# KiCad board IotKnob.kicad_pcb
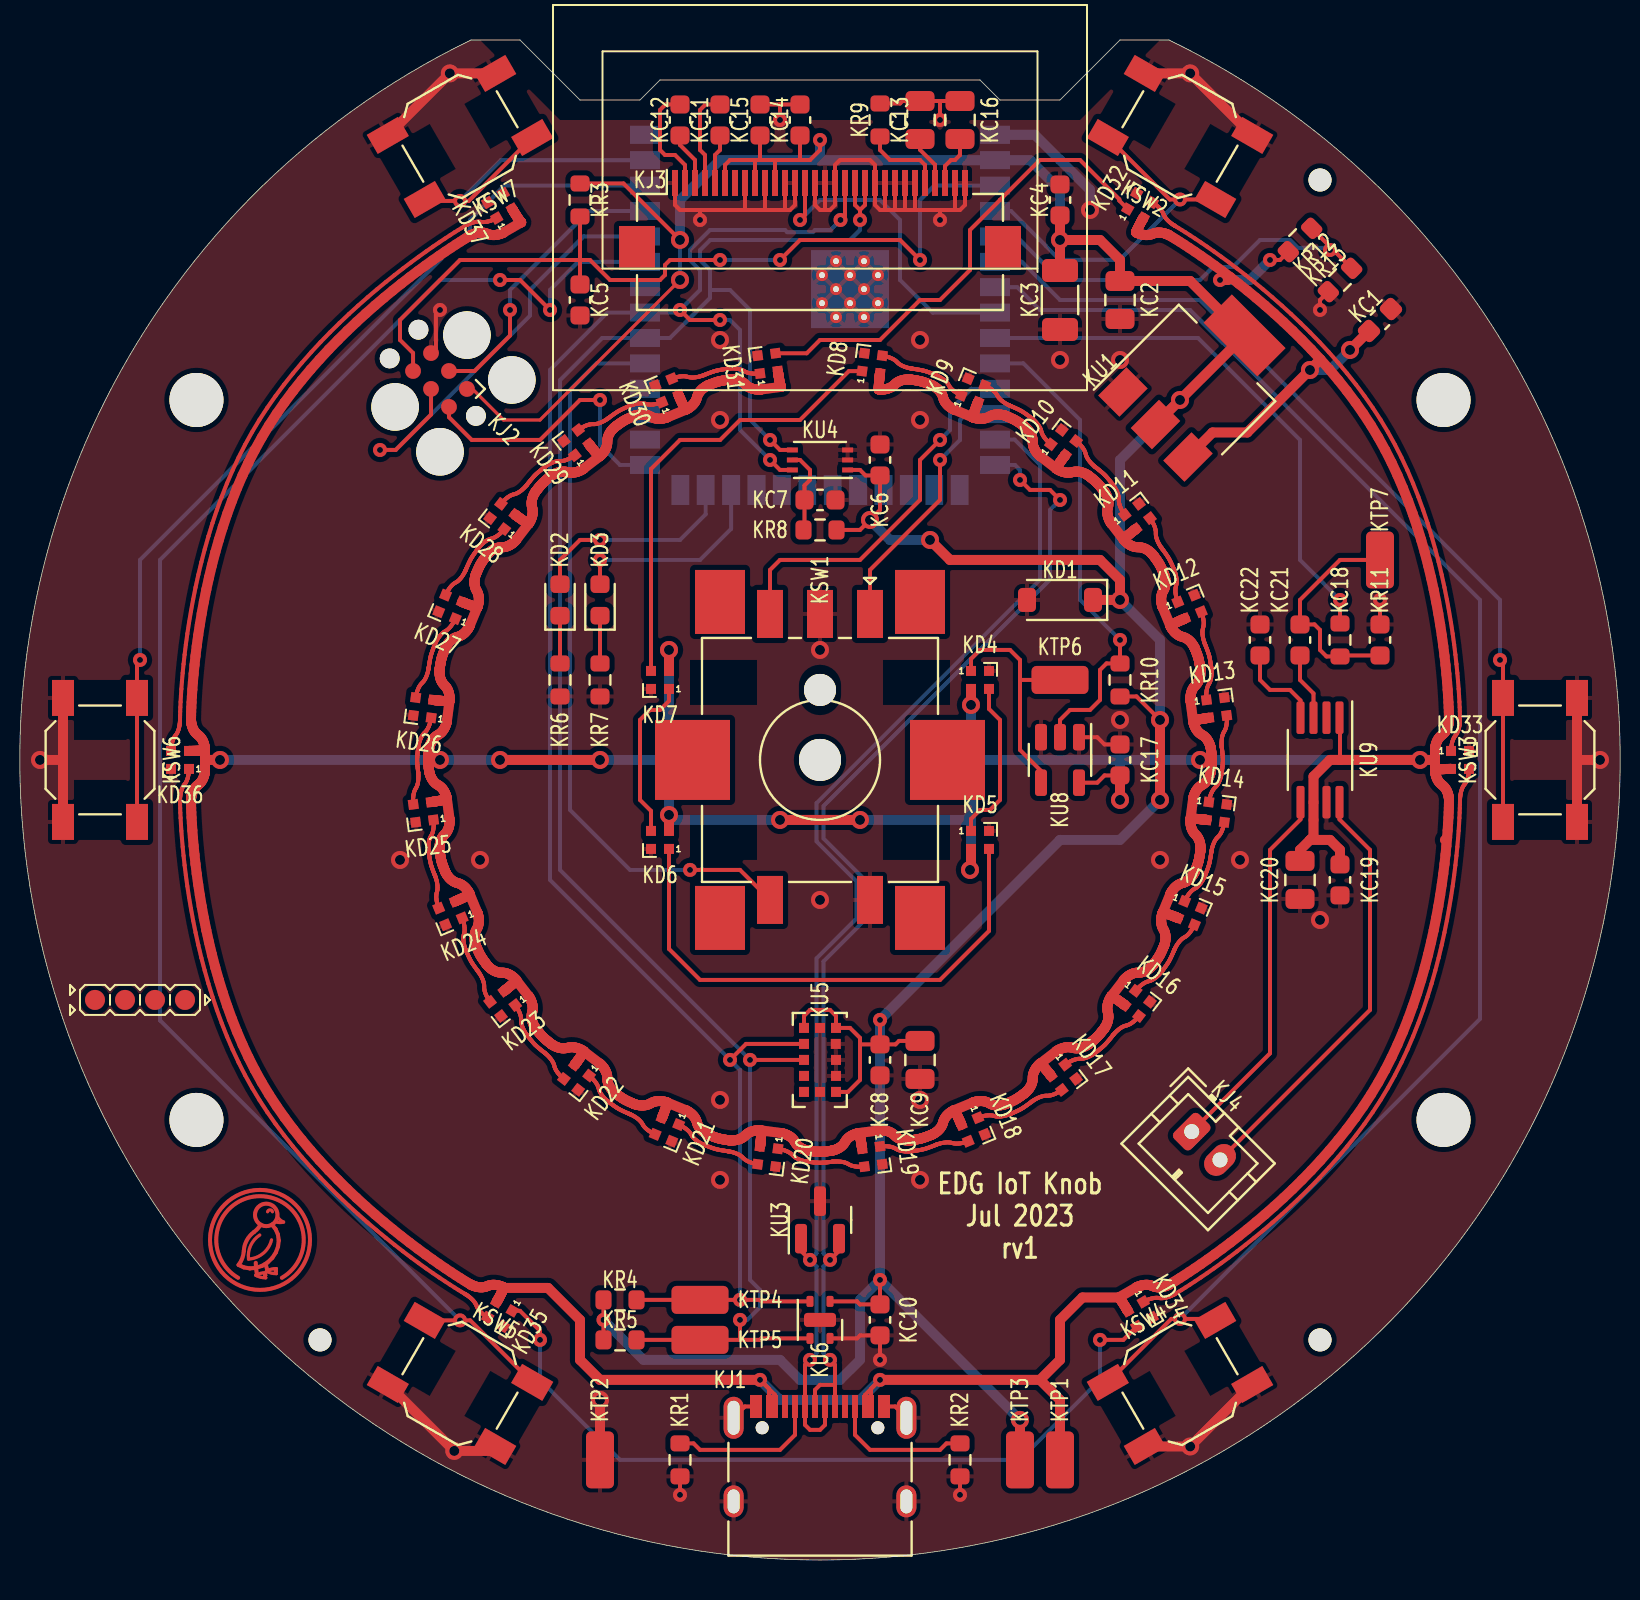
[diagram p0: board, top side]
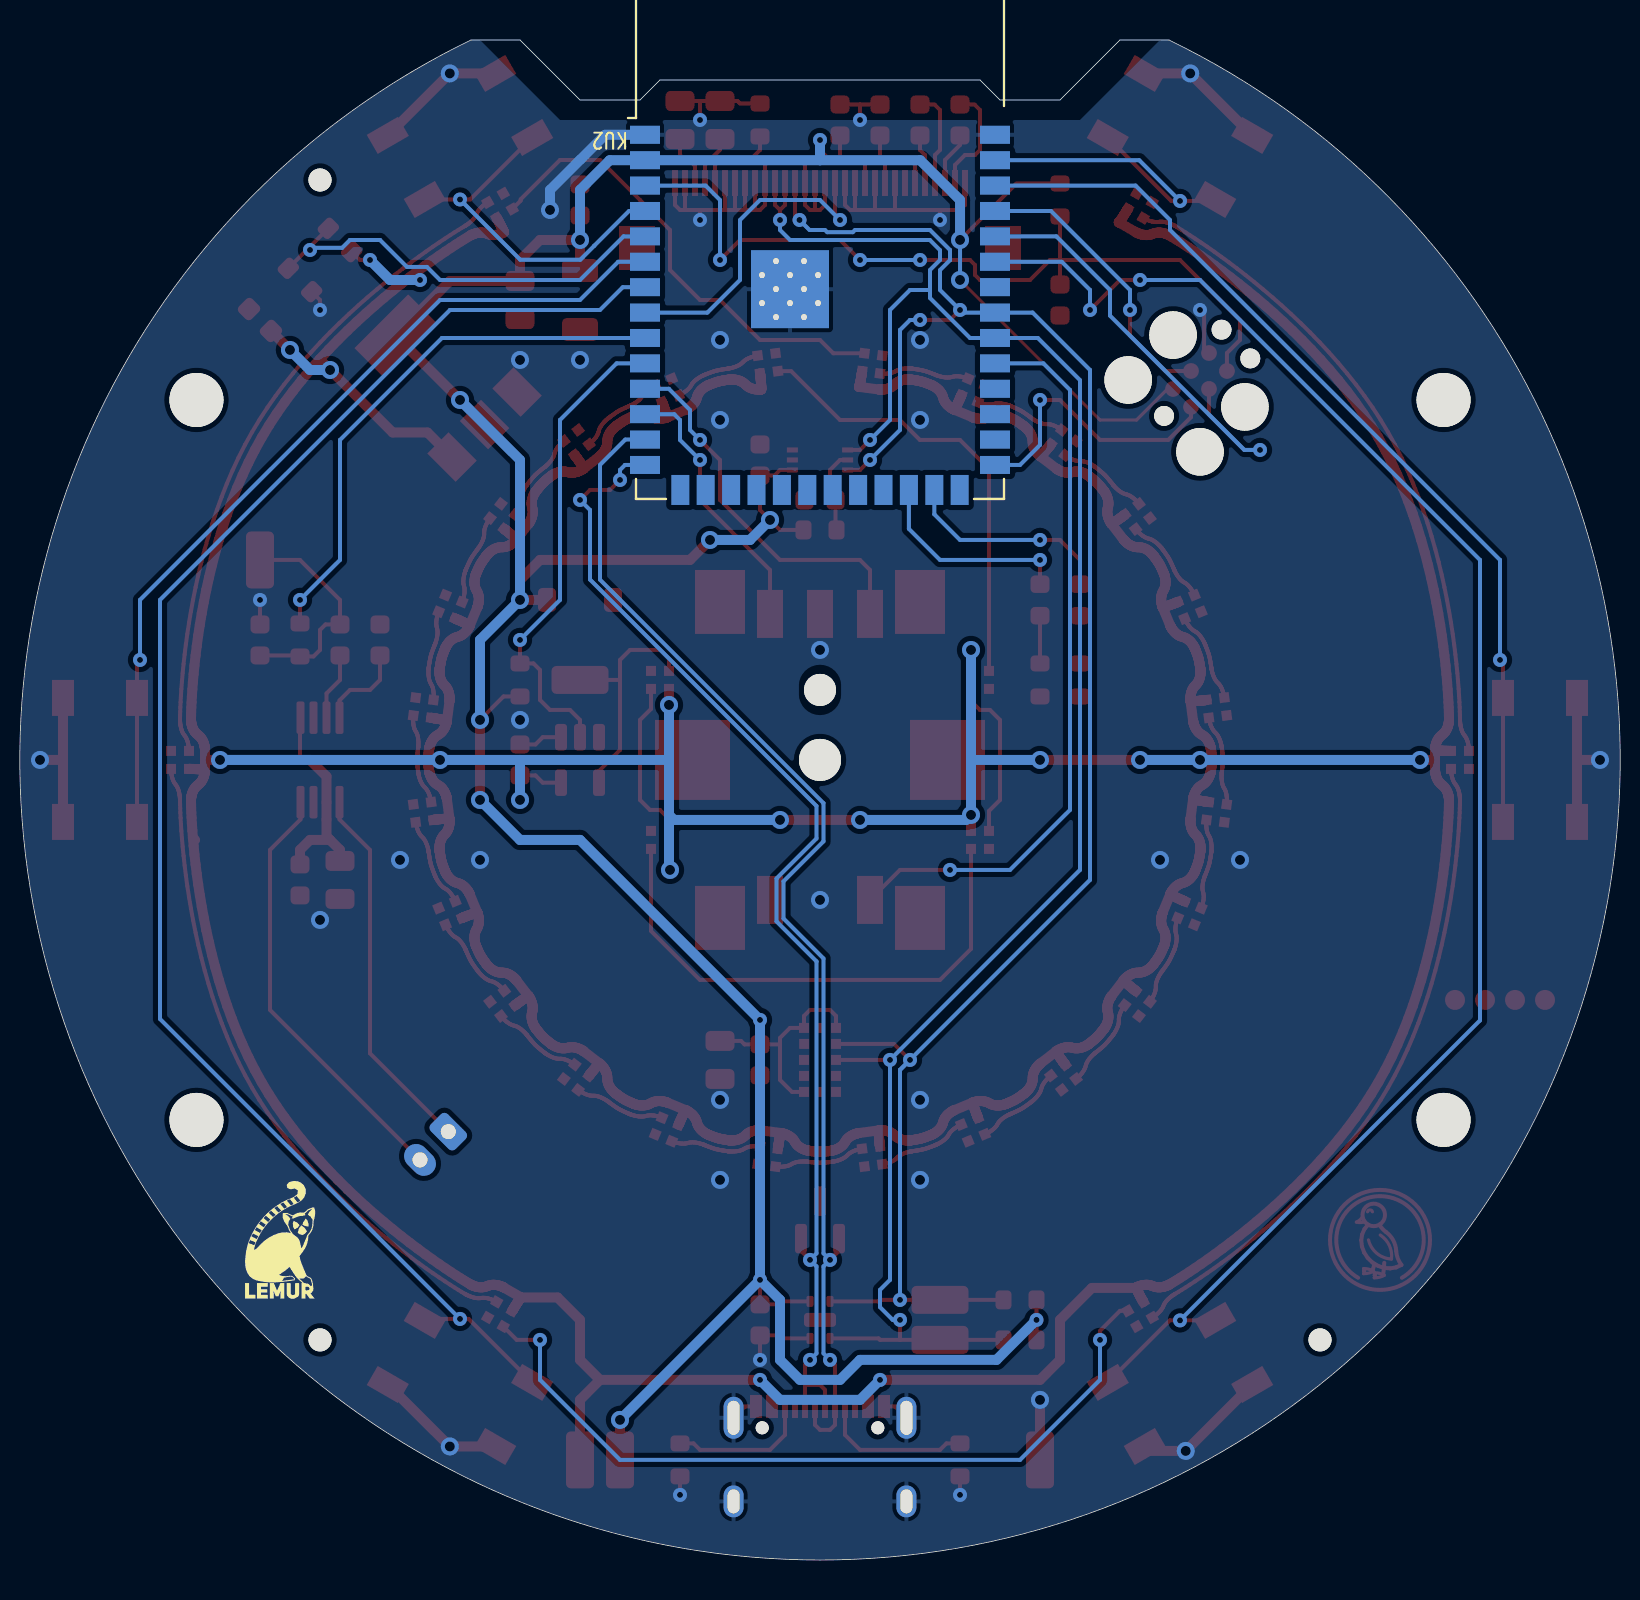
[diagram p1: board, bottom side, seen from below]

Outline 34.9 x 76.01 mm; copper layers: Top, Bottom. Coordinates in mm from the lower left corner of the outline.
Outline path: 0,76.01 2.45,76.01 5.45,73.01 8.45,73.01 9.45,74.01 25.45,74.01 26.45,73.01 29.45,73.01 32.45,76.01 34.9,76.01 arc(17.45,0) 0,76.01
Stack: Top 0.035mm / dielectric 1.51mm FR4 er 4.5 / Bottom 0.035mm

## Placement (name value [footprint] x y rotation side)
KC1  -  [C_0603_1608Metric]  45.45 62.01 45 top
KC2  -  [C_0805_2012Metric]  32.45 63.01 270 top
KC3  -  [C_1206_3216Metric]  29.45 63.01 270 top
KC4  -  [C_0603_1608Metric]  29.45 68.01 90 top
KC5  -  [C_0603_1608Metric]  5.45 63.01 270 top
KC6  -  [C_0603_1608Metric]  20.45 55.01 90 top
KC7  -  [C_0603_1608Metric]  17.45 53.01 0 top
KC8  -  [C_0603_1608Metric]  20.45 25.01 270 top
KC9  -  [C_0805_2012Metric]  22.45 25.01 270 top
KC10  -  [C_0603_1608Metric]  20.45 12.01 270 top
KC11  -  [C_0603_1608Metric]  12.45 72.01 270 top
KC12  -  [C_0603_1608Metric]  10.45 72.01 270 top
KC13  -  [C_0805_2012Metric]  22.45 72.01 90 top
KC14  -  [C_0603_1608Metric]  16.45 72.01 90 top
KC15  -  [C_0603_1608Metric]  14.45 72.01 90 top
KC16  -  [C_0805_2012Metric]  24.45 72.01 90 top
KC17  -  [C_0603_1608Metric]  32.45 40.01 90 top
KC18  -  [C_0603_1608Metric]  45.45 46.01 90 top
KC19  -  [C_0603_1608Metric]  43.45 34.01 270 top
KC20  -  [C_0805_2012Metric]  41.45 34.01 270 top
KC21  -  [C_0603_1608Metric]  41.45 46.01 90 top
KC22  -  [C_0603_1608Metric]  39.45 46.01 90 top
KD1  BZT52C3V6 (SMC(Sangdest Microelectronicstronic (Nanjing))) - 5?A@1V 90? Single 3.6V~3.8V 350mW 3.4V SOD-123 Zener Diodes ROHS  [D_SOD-123]  29.45 48.01 180 top
KD2  KT-0603R (Hubei KENTO Elec) - Red 615~630nm 1.9~2.2V 0603 Light Emitting Diodes (LED) RoHS  [LED_0603_1608Metric]  4.45 48.01 90 top
KD3  -  [LED_0603_1608Metric]  6.45 48.01 90 top
KD4  SK6805-EC15 (Opsco Optoelectronics)  [LED_SK6812_EC15_1.5x1.5mm]  25.45 44.01 0 top
KD5  SK6805-EC15 (Opsco Optoelectronics)  [LED_SK6812_EC15_1.5x1.5mm]  25.45 36.01 0 top
KD6  SK6805-EC15 (Opsco Optoelectronics)  [LED_SK6812_EC15_1.5x1.5mm]  9.45 36.01 180 top
KD7  SK6805-EC15 (Opsco Optoelectronics)  [LED_SK6812_EC15_1.5x1.5mm]  9.45 44.01 180 top
KD8  SK6805-EC15 (Opsco Optoelectronics)  [LED_SK6812_EC15_1.5x1.5mm]  20.06 59.84 82.5 top
KD9  SK6805-EC15 (Opsco Optoelectronics)  [LED_SK6812_EC15_1.5x1.5mm]  25.1 58.48 67.5 top
KD10  SK6805-EC15 (Opsco Optoelectronics)  [LED_SK6812_EC15_1.5x1.5mm]  29.62 55.87 52.5 top
KD11  SK6805-EC15 (Opsco Optoelectronics)  [LED_SK6812_EC15_1.5x1.5mm]  33.32 52.18 37.5 top
KD12  SK6805-EC15 (Opsco Optoelectronics)  [LED_SK6812_EC15_1.5x1.5mm]  35.93 47.66 22.5 top
KD13  SK6805-EC15 (Opsco Optoelectronics)  [LED_SK6812_EC15_1.5x1.5mm]  37.28 42.62 7.5 top
KD14  SK6805-EC15 (Opsco Optoelectronics)  [LED_SK6812_EC15_1.5x1.5mm]  37.28 37.4 352.5 top
KD15  SK6805-EC15 (Opsco Optoelectronics)  [LED_SK6812_EC15_1.5x1.5mm]  35.93 32.35 337.5 top
KD16  SK6805-EC15 (Opsco Optoelectronics)  [LED_SK6812_EC15_1.5x1.5mm]  33.32 27.83 322.5 top
KD17  SK6805-EC15 (Opsco Optoelectronics)  [LED_SK6812_EC15_1.5x1.5mm]  29.62 24.14 307.5 top
KD18  SK6805-EC15 (Opsco Optoelectronics)  [LED_SK6812_EC15_1.5x1.5mm]  25.1 21.53 292.5 top
KD19  SK6805-EC15 (Opsco Optoelectronics)  [LED_SK6812_EC15_1.5x1.5mm]  20.06 20.18 277.5 top
KD20  SK6805-EC15 (Opsco Optoelectronics)  [LED_SK6812_EC15_1.5x1.5mm]  14.84 20.18 262.5 top
KD21  SK6805-EC15 (Opsco Optoelectronics)  [LED_SK6812_EC15_1.5x1.5mm]  9.8 21.53 247.5 top
KD22  SK6805-EC15 (Opsco Optoelectronics)  [LED_SK6812_EC15_1.5x1.5mm]  5.28 24.14 232.5 top
KD23  SK6805-EC15 (Opsco Optoelectronics)  [LED_SK6812_EC15_1.5x1.5mm]  1.58 27.83 217.5 top
KD24  SK6805-EC15 (Opsco Optoelectronics)  [LED_SK6812_EC15_1.5x1.5mm]  -1.03 32.35 202.5 top
KD25  SK6805-EC15 (Opsco Optoelectronics)  [LED_SK6812_EC15_1.5x1.5mm]  -2.38 37.4 187.5 top
KD26  SK6805-EC15 (Opsco Optoelectronics)  [LED_SK6812_EC15_1.5x1.5mm]  -2.38 42.62 172.5 top
KD27  SK6805-EC15 (Opsco Optoelectronics)  [LED_SK6812_EC15_1.5x1.5mm]  -1.03 47.66 157.5 top
KD28  SK6805-EC15 (Opsco Optoelectronics)  [LED_SK6812_EC15_1.5x1.5mm]  1.58 52.18 142.5 top
KD29  SK6805-EC15 (Opsco Optoelectronics)  [LED_SK6812_EC15_1.5x1.5mm]  5.28 55.87 127.5 top
KD30  SK6805-EC15 (Opsco Optoelectronics)  [LED_SK6812_EC15_1.5x1.5mm]  9.8 58.48 112.5 top
KD31  SK6805-EC15 (Opsco Optoelectronics)  [LED_SK6812_EC15_1.5x1.5mm]  14.84 59.84 97.5 top
KD32  SK6805-EC15 (Opsco Optoelectronics)  [LED_SK6812_EC15_1.5x1.5mm#3]  33.45 67.72 60 top
KD33  SK6805-EC15 (Opsco Optoelectronics)  [LED_SK6812_EC15_1.5x1.5mm]  49.45 40.01 0 top
KD34  SK6805-EC15 (Opsco Optoelectronics)  [LED_SK6812_EC15_1.5x1.5mm#2]  33.45 12.29 300 top
KD35  SK6805-EC15 (Opsco Optoelectronics)  [LED_SK6812_EC15_1.5x1.5mm#3]  1.45 12.29 240 top
KD36  SK6805-EC15 (Opsco Optoelectronics)  [LED_SK6812_EC15_1.5x1.5mm]  -14.55 40.01 180 top
KD37  SK6805-EC15 (Opsco Optoelectronics)  [LED_SK6812_EC15_1.5x1.5mm#2]  1.45 67.72 120 top
KH1  -  [JlcToolingHole_1.152mm]  42.45 69.01 0 top
KH2  -  [JlcToolingHole_1.152mm]  -7.55 11.01 0 top
KH3  -  [JlcToolingHole_1.152mm]  42.45 11.01 0 top
KJ1  COM-15111 (Sparkfun)  [USB_C_Receptacle_XKB_U262-16XN-4BVC11]  17.45 4.01 0 top
KJ2  -  [Tag-Connect_TC2030-IDC-FP_2x03_P1.27mm_Vertical]  -1.55 59.01 135 top
KJ3  AFC01-S30FCA-00 (Jushuo)  [Hirose_FH12-30S-0.5SH_1x30-1MP_P0.50mm_Horizontal]  17.45 67.01 0 top
KJ4  B2B-PH-K (JST)  [JST_PH_B2B-PH-K_1x02_P2.00mm_Vertical]  36.04 21.42 315 top
KR1  -  [R_0603_1608Metric]  10.45 5.01 90 top
KR2  -  [R_0603_1608Metric]  24.45 5.01 90 top
KR3  -  [R_0603_1608Metric]  5.45 68.01 270 top
KR4  -  [R_0603_1608Metric]  7.45 13.01 0 top
KR5  -  [R_0603_1608Metric]  7.45 11.01 0 top
KR6  -  [R_0603_1608Metric]  4.45 44.01 270 top
KR7  -  [R_0603_1608Metric]  6.45 44.01 270 top
KR8  -  [R_0603_1608Metric]  17.45 51.51 180 top
KR9  -  [R_0603_1608Metric]  20.45 72.01 90 top
KR10  -  [R_0603_1608Metric]  32.45 44.01 90 top
KR11  -  [R_0603_1608Metric]  43.45 46.01 270 top
KR12  -  [R_0603_1608Metric]  41.45 66.01 45 top
KR13  -  [R_0603_1608Metric]  43.45 64.01 225 top
KSW1  EC11J1525402 (Alps Alpine)  [RotaryEncoder_Alps_EC11J15-Switch]  17.45 40.01 270 top
KSW2  5.1mm switch  [SW_SPST_SKQG_WithoutStem]  35.45 71.18 150 top
KSW3  5.1mm switch  [SW_SPST_SKQG_WithoutStem]  53.45 40.01 90 top
KSW4  5.1mm switch  [SW_SPST_SKQG_WithoutStem]  35.45 8.83 30 top
KSW5  5.1mm switch  [SW_SPST_SKQG_WithoutStem]  -0.55 8.83 330 top
KSW6  5.1mm switch  [SW_SPST_SKQG_WithoutStem]  -18.55 40.01 270 top
KSW7  5.1mm switch  [SW_SPST_SKQG_WithoutStem]  -0.55 71.18 210 top
KTP1  5015 (Keystone) - vusb  [TestPoint_TE_RCT_0805]  29.45 5.01 90 top
KTP2  5015 (Keystone) - gnd  [TestPoint_TE_RCT_0805]  6.45 5.01 90 top
KTP3  5015 (Keystone) - v3v3  [TestPoint_TE_RCT_0805]  27.45 5.01 90 top
KTP4  5015 (Keystone) - i2c_chain_0.scl  [TestPoint_TE_RCT_0805]  11.45 13.01 0 top
KTP5  5015 (Keystone) - i2c_tp._io_sda_link  [TestPoint_TE_RCT_0805]  11.45 11.01 0 top
KTP6  5015 (Keystone) - _rgb_shift_output_link  [TestPoint_TE_RCT_0805]  29.45 44.01 0 top
KTP7  5015 (Keystone) - _spk_dac_output_link  [TestPoint_TE_RCT_0805]  45.45 50.01 90 top
KU1  LDL1117S33R (STMicroelectronics)  [SOT-223-3_TabPin2]  36.45 59.01 45 top
KU2  ESP32-S3-WROOM-1-N16R8 (Espressif Systems)  [ESP32-S3-WROOM-1]  17.45 66.01 180 bottom
KU3  PESD5V0X1BT (Nexperia)  [SOT-23]  17.45 17.01 90 top
KU4  BH1750 (Rohm Semiconductor)  [HVSOF6]  17.45 55.01 180 top
KU5  VL53L0X (STMicroelectronics)  [ST_VL53L0X]  17.45 25.01 270 top
KU6  SHTC3 (Sensirion AG)  [Sensirion_DFN-4-1EP_2x2mm_P1mm_EP0.7x1.6mm]  17.45 12.01 270 top
KU7  ER-OLED-0.96-1.1 (EastRising)  [Lcd_Er_Oled0.96_1.1_Outline]  17.45 70.01 0 top
KU8  74AHCT1G125W5-7 (Diodes Incorporated)  [SOT-23-5]  29.45 40.01 270 top
KU9  PAM8302AASCR (Diodes Incorporated)  [MSOP-8_3x3mm_P0.65mm]  42.45 40.01 270 top
REF**  -  [MountingHole_2.7mm_M2.5]  -13.73 22.01 0 top
REF**#2  -  [MountingHole_2.7mm_M2.5]  -13.73 58.01 0 top
REF**#3  -  [MountingHole_2.7mm_M2.5]  48.63 58.01 0 top
REF**#4  -  [MountingHole_2.7mm_M2.5]  48.63 22.01 0 top
UU4  Duck  [Symbol_Duckling]  -10.55 16.01 0 top
UU5  Lemur  [Symbol_LemurSmall]  44.45 16.01 180 bottom
UU6  IdDots4  [Indicator_IdDots_4]  -16.55 28.01 0 top

## Library data of the parts
KC1 = -: edg_part: CC0603KRX7R9BB104 (YAGEO); edg_path: reg_3v3.in_cap.cap; edg_refdes: KC1; edg_short_path: reg_3v3.in_cap
KC2 = -: edg_part: CL21A475KAQNNNE (Samsung Electro-Mechanics); edg_path: reg_3v3.out_cap.cap; edg_refdes: KC2; edg_short_path: reg_3v3.out_cap
KC3 = -: edg_part: CL31A226KPHNNNE (Samsung Electro-Mechanics); edg_path: mcu.vcc_cap0.cap; edg_refdes: KC3; edg_short_path: mcu.vcc_cap0
KC4 = -: edg_part: CC0603KRX7R9BB104 (YAGEO); edg_path: mcu.vcc_cap1.cap; edg_refdes: KC4; edg_short_path: mcu.vcc_cap1
KC5 = -: edg_part: CL10A105KB8NNNC (Samsung Electro-Mechanics); edg_path: mcu.en_pull.rc.c; edg_refdes: KC5; edg_short_path: mcu.en_pull.c
KC6 = -: edg_part: CC0603KRX7R9BB104 (YAGEO); edg_path: als.vcc_cap.cap; edg_refdes: KC6; edg_short_path: als.vcc_cap
KC7 = -: edg_part: CL10A105KB8NNNC (Samsung Electro-Mechanics); edg_path: als.dvi_cap; edg_refdes: KC7; edg_short_path: als.dvi_cap
KC8 = -: edg_part: CC0603KRX7R9BB104 (YAGEO); edg_path: dist.vdd_cap[0].cap; edg_refdes: KC8; edg_short_path: dist.vdd_cap[0]
KC9 = -: edg_part: CL21A475KAQNNNE (Samsung Electro-Mechanics); edg_path: dist.vdd_cap[1].cap; edg_refdes: KC9; edg_short_path: dist.vdd_cap[1]
KC10 = -: edg_part: CC0603KRX7R9BB104 (YAGEO); edg_path: env.vdd_cap.cap; edg_refdes: KC10; edg_short_path: env.vdd_cap
KC11 = -: edg_part: CL10A105KB8NNNC (Samsung Electro-Mechanics); edg_path: oled.c1_cap; edg_refdes: KC11; edg_short_path: oled.c1_cap
KC12 = -: edg_part: CL10A105KB8NNNC (Samsung Electro-Mechanics); edg_path: oled.c2_cap; edg_refdes: KC12; edg_short_path: oled.c2_cap
KC13 = -: edg_part: CL21A475KAQNNNE (Samsung Electro-Mechanics); edg_path: oled.vcomh_cap.cap; edg_refdes: KC13; edg_short_path: oled.vcomh_cap
KC14 = -: edg_part: CL10A105KB8NNNC (Samsung Electro-Mechanics); edg_path: oled.vdd_cap1.cap; edg_refdes: KC14; edg_short_path: oled.vdd_cap1
KC15 = -: edg_part: CL10A105KB8NNNC (Samsung Electro-Mechanics); edg_path: oled.vbat_cap.cap; edg_refdes: KC15; edg_short_path: oled.vbat_cap
KC16 = -: edg_part: CL21A475KAQNNNE (Samsung Electro-Mechanics); edg_path: oled.vcc_cap.cap; edg_refdes: KC16; edg_short_path: oled.vcc_cap
KC17 = -: edg_part: CC0603KRX7R9BB104 (YAGEO); edg_path: rgb_shift.vdd_cap.cap; edg_refdes: KC17; edg_short_path: rgb_shift.vdd_cap
KC18 = -: edg_part: CL10B473KB8NNNC (Samsung Electro-Mechanics); edg_path: spk_dac.rc.c; edg_refdes: KC18; edg_short_path: spk_dac.c
KC19 = -: edg_part: CL10A105KB8NNNC (Samsung Electro-Mechanics); edg_path: spk_drv.pwr_cap0.cap; edg_refdes: KC19; edg_short_path: spk_drv.pwr_cap0
KC20 = -: edg_part: CL21A106KAYNNNE (Samsung Electro-Mechanics); edg_path: spk_drv.pwr_cap1.cap; edg_refdes: KC20; edg_short_path: spk_drv.pwr_cap1
KC21 = -: edg_part: CC0603KRX7R9BB104 (YAGEO); edg_path: spk_drv.inp_cap; edg_refdes: KC21; edg_short_path: spk_drv.inp_cap
KC22 = -: edg_part: CC0603KRX7R9BB104 (YAGEO); edg_path: spk_drv.inn_cap; edg_refdes: KC22; edg_short_path: spk_drv.inn_cap
KD1 = -: edg_part: BZT52C3V6 (SMC(Sangdest Microelectronicstronic (Nanjing))); edg_path: prot_3v3.diode; edg_refdes: KD1; edg_short_path: prot_3v3
KD2 = -: edg_part: KT-0603R (Hubei KENTO Elec); edg_path: ledr.package; edg_refdes: KD2; edg_short_path: ledr.package
KD3 = -: edg_part: 19-213/Y2C-CQ2R2L/3T(CY) (Everlight Elec); edg_path: ledy.package; edg_refdes: KD3; edg_short_path: ledy.package
KD4 = -: edg_path: rgb_knob.led[0]; edg_refdes: KD4; edg_short_path: rgb_knob.led[0]
KD5 = -: edg_path: rgb_knob.led[1]; edg_refdes: KD5; edg_short_path: rgb_knob.led[1]
KD6 = -: edg_path: rgb_knob.led[2]; edg_refdes: KD6; edg_short_path: rgb_knob.led[2]
KD7 = -: edg_path: rgb_knob.led[3]; edg_refdes: KD7; edg_short_path: rgb_knob.led[3]
KD8 = -: edg_path: rgb_ring.led[0]; edg_refdes: KD8; edg_short_path: rgb_ring.led[0]
KD9 = -: edg_path: rgb_ring.led[1]; edg_refdes: KD9; edg_short_path: rgb_ring.led[1]
KD10 = -: edg_path: rgb_ring.led[2]; edg_refdes: KD10; edg_short_path: rgb_ring.led[2]
KD11 = -: edg_path: rgb_ring.led[3]; edg_refdes: KD11; edg_short_path: rgb_ring.led[3]
KD12 = -: edg_path: rgb_ring.led[4]; edg_refdes: KD12; edg_short_path: rgb_ring.led[4]
KD13 = -: edg_path: rgb_ring.led[5]; edg_refdes: KD13; edg_short_path: rgb_ring.led[5]
KD14 = -: edg_path: rgb_ring.led[6]; edg_refdes: KD14; edg_short_path: rgb_ring.led[6]
KD15 = -: edg_path: rgb_ring.led[7]; edg_refdes: KD15; edg_short_path: rgb_ring.led[7]
KD16 = -: edg_path: rgb_ring.led[8]; edg_refdes: KD16; edg_short_path: rgb_ring.led[8]
KD17 = -: edg_path: rgb_ring.led[9]; edg_refdes: KD17; edg_short_path: rgb_ring.led[9]
KD18 = -: edg_path: rgb_ring.led[10]; edg_refdes: KD18; edg_short_path: rgb_ring.led[10]
KD19 = -: edg_path: rgb_ring.led[11]; edg_refdes: KD19; edg_short_path: rgb_ring.led[11]
KD20 = -: edg_path: rgb_ring.led[12]; edg_refdes: KD20; edg_short_path: rgb_ring.led[12]
KD21 = -: edg_path: rgb_ring.led[13]; edg_refdes: KD21; edg_short_path: rgb_ring.led[13]
KD22 = -: edg_path: rgb_ring.led[14]; edg_refdes: KD22; edg_short_path: rgb_ring.led[14]
KD23 = -: edg_path: rgb_ring.led[15]; edg_refdes: KD23; edg_short_path: rgb_ring.led[15]
KD24 = -: edg_path: rgb_ring.led[16]; edg_refdes: KD24; edg_short_path: rgb_ring.led[16]
KD25 = -: edg_path: rgb_ring.led[17]; edg_refdes: KD25; edg_short_path: rgb_ring.led[17]
KD26 = -: edg_path: rgb_ring.led[18]; edg_refdes: KD26; edg_short_path: rgb_ring.led[18]
KD27 = -: edg_path: rgb_ring.led[19]; edg_refdes: KD27; edg_short_path: rgb_ring.led[19]
KD28 = -: edg_path: rgb_ring.led[20]; edg_refdes: KD28; edg_short_path: rgb_ring.led[20]
KD29 = -: edg_path: rgb_ring.led[21]; edg_refdes: KD29; edg_short_path: rgb_ring.led[21]
KD30 = -: edg_path: rgb_ring.led[22]; edg_refdes: KD30; edg_short_path: rgb_ring.led[22]
KD31 = -: edg_path: rgb_ring.led[23]; edg_refdes: KD31; edg_short_path: rgb_ring.led[23]
KD32 = -: edg_path: rgb_sw.led[0]; edg_refdes: KD32; edg_short_path: rgb_sw.led[0]
KD33 = -: edg_path: rgb_sw.led[1]; edg_refdes: KD33; edg_short_path: rgb_sw.led[1]
KD34 = -: edg_path: rgb_sw.led[2]; edg_refdes: KD34; edg_short_path: rgb_sw.led[2]
KD35 = -: edg_path: rgb_sw.led[3]; edg_refdes: KD35; edg_short_path: rgb_sw.led[3]
KD36 = -: edg_path: rgb_sw.led[4]; edg_refdes: KD36; edg_short_path: rgb_sw.led[4]
KD37 = -: edg_path: rgb_sw.led[5]; edg_refdes: KD37; edg_short_path: rgb_sw.led[5]
KH1 = -: edg_path: jlc_th.th1; edg_refdes: KH1; edg_short_path: jlc_th.th1
KH2 = -: edg_path: jlc_th.th2; edg_refdes: KH2; edg_short_path: jlc_th.th2
KH3 = -: edg_path: jlc_th.th3; edg_refdes: KH3; edg_short_path: jlc_th.th3
KJ1 = -: edg_path: usb.conn; edg_refdes: KJ1; edg_short_path: usb.conn
KJ2 = -: edg_path: mcu.prog.conn; edg_refdes: KJ2; edg_short_path: mcu.prog
KJ3 = -: edg_path: oled.device.conn; edg_refdes: KJ3; edg_short_path: oled.device.conn
KJ4 = -: edg_path: spk.conn; edg_refdes: KJ4; edg_short_path: spk
KR1 = -: edg_part: 0603WAF5101T5E (UNI-ROYAL(Uniroyal Elec)); edg_path: usb.cc_pull.cc1.res; edg_refdes: KR1; edg_short_path: usb.cc_pull.cc1
KR2 = -: edg_part: 0603WAF5101T5E (UNI-ROYAL(Uniroyal Elec)); edg_path: usb.cc_pull.cc2.res; edg_refdes: KR2; edg_short_path: usb.cc_pull.cc2
KR3 = -: edg_part: 0603WAF1002T5E (UNI-ROYAL(Uniroyal Elec)); edg_path: mcu.en_pull.rc.r; edg_refdes: KR3; edg_short_path: mcu.en_pull.r
KR4 = -: edg_part: 0603WAF4701T5E (UNI-ROYAL(Uniroyal Elec)); edg_path: i2c_pull.scl_res.res; edg_refdes: KR4; edg_short_path: i2c_pull.scl_res
KR5 = -: edg_part: 0603WAF4701T5E (UNI-ROYAL(Uniroyal Elec)); edg_path: i2c_pull.sda_res.res; edg_refdes: KR5; edg_short_path: i2c_pull.sda_res
KR6 = -: edg_part: 0603WAF1001T5E (UNI-ROYAL(Uniroyal Elec)); edg_path: ledr.res; edg_refdes: KR6; edg_short_path: ledr.res
KR7 = -: edg_part: 0603WAF1001T5E (UNI-ROYAL(Uniroyal Elec)); edg_path: ledy.res; edg_refdes: KR7; edg_short_path: ledy.res
KR8 = -: edg_part: 0603WAF1001T5E (UNI-ROYAL(Uniroyal Elec)); edg_path: als.dvi_res; edg_refdes: KR8; edg_short_path: als.dvi_res
KR9 = -: edg_part: 0603WAF3903T5E (UNI-ROYAL(Uniroyal Elec)); edg_path: oled.iref_res; edg_refdes: KR9; edg_short_path: oled.iref_res
KR10 = -: edg_part: 0603WAF4701T5E (UNI-ROYAL(Uniroyal Elec)); edg_path: io8_pur.res; edg_refdes: KR10; edg_short_path: io8_pur
KR11 = -: edg_part: 0603WAF1001T5E (UNI-ROYAL(Uniroyal Elec)); edg_path: spk_dac.rc.r; edg_refdes: KR11; edg_short_path: spk_dac.r
KR12 = -: edg_part: 0603WAF1002T5E (UNI-ROYAL(Uniroyal Elec)); edg_path: v5v_sense.div.top_res; edg_refdes: KR12; edg_short_path: v5v_sense.top_res
KR13 = -: edg_part: 0603WAF1502T5E (UNI-ROYAL(Uniroyal Elec)); edg_path: v5v_sense.div.bottom_res; edg_refdes: KR13; edg_short_path: v5v_sense.bottom_res
KSW1 = -: edg_path: enc.package; edg_refdes: KSW1; edg_short_path: enc
KSW2 = -: edg_path: sw[0].package; edg_refdes: KSW2; edg_short_path: sw[0]
KSW3 = -: edg_path: sw[1].package; edg_refdes: KSW3; edg_short_path: sw[1]
KSW4 = -: edg_path: sw[2].package; edg_refdes: KSW4; edg_short_path: sw[2]
KSW5 = -: edg_path: sw[3].package; edg_refdes: KSW5; edg_short_path: sw[3]
KSW6 = -: edg_path: sw[4].package; edg_refdes: KSW6; edg_short_path: sw[4]
KSW7 = -: edg_path: sw[5].package; edg_refdes: KSW7; edg_short_path: sw[5]
KTP1 = -: edg_part: 5015 (Keystone); edg_path: tp_pwr.tp; edg_refdes: KTP1; edg_short_path: tp_pwr
KTP2 = -: edg_part: 5015 (Keystone); edg_path: tp_gnd.tp; edg_refdes: KTP2; edg_short_path: tp_gnd
KTP3 = -: edg_part: 5015 (Keystone); edg_path: tp_3v3.tp; edg_refdes: KTP3; edg_short_path: tp_3v3
KTP4 = -: edg_part: 5015 (Keystone); edg_path: i2c_tp.tp_scl.tp; edg_refdes: KTP4; edg_short_path: i2c_tp.tp_scl
KTP5 = -: edg_part: 5015 (Keystone); edg_path: i2c_tp.tp_sda.tp; edg_refdes: KTP5; edg_short_path: i2c_tp.tp_sda
KTP6 = -: edg_part: 5015 (Keystone); edg_path: rgb_tp.tp; edg_refdes: KTP6; edg_short_path: rgb_tp
KTP7 = -: edg_part: 5015 (Keystone); edg_path: spk_tp.tp; edg_refdes: KTP7; edg_short_path: spk_tp
KU1 = -: edg_path: reg_3v3.ic; edg_refdes: KU1; edg_short_path: reg_3v3.ic
KU2 = -: edg_path: mcu.ic; edg_refdes: KU2; edg_short_path: mcu.ic
KU3 = -: edg_path: usb_esd; edg_refdes: KU3; edg_short_path: usb_esd
KU4 = -: edg_path: als.ic; edg_refdes: KU4; edg_short_path: als.ic
KU5 = -: edg_path: dist.ic; edg_refdes: KU5; edg_short_path: dist.ic
KU6 = -: edg_path: env.ic; edg_refdes: KU6; edg_short_path: env.ic
KU7 = -: edg_path: oled.device.lcd; edg_refdes: KU7; edg_short_path: oled.device.lcd
KU8 = -: edg_path: rgb_shift.ic; edg_refdes: KU8; edg_short_path: rgb_shift.ic
KU9 = -: edg_path: spk_drv.ic; edg_refdes: KU9; edg_short_path: spk_drv.ic
UU4 = -: edg_path: duck; edg_refdes: UU4; edg_short_path: duck
UU5 = -: edg_path: lemur; edg_refdes: UU5; edg_short_path: lemur
UU6 = -: edg_path: id; edg_refdes: UU6; edg_short_path: id
